# Altium PCB AMP.PcbDoc (part 3 of 5)
Units mil, origin at the board's own origin, x right, y up, seen from the top; angles counter-clockwise.
Board outline 6850 x 4750 mil, 6 copper layers (Top Layer, InternalPlane1, MidLayer1, InternalPlane2, InternalPlane3, Bottom Layer); 484 components, 340 nets, 1840 pads, 888 vias.
Unrouted connection lines stored in the file: 22.
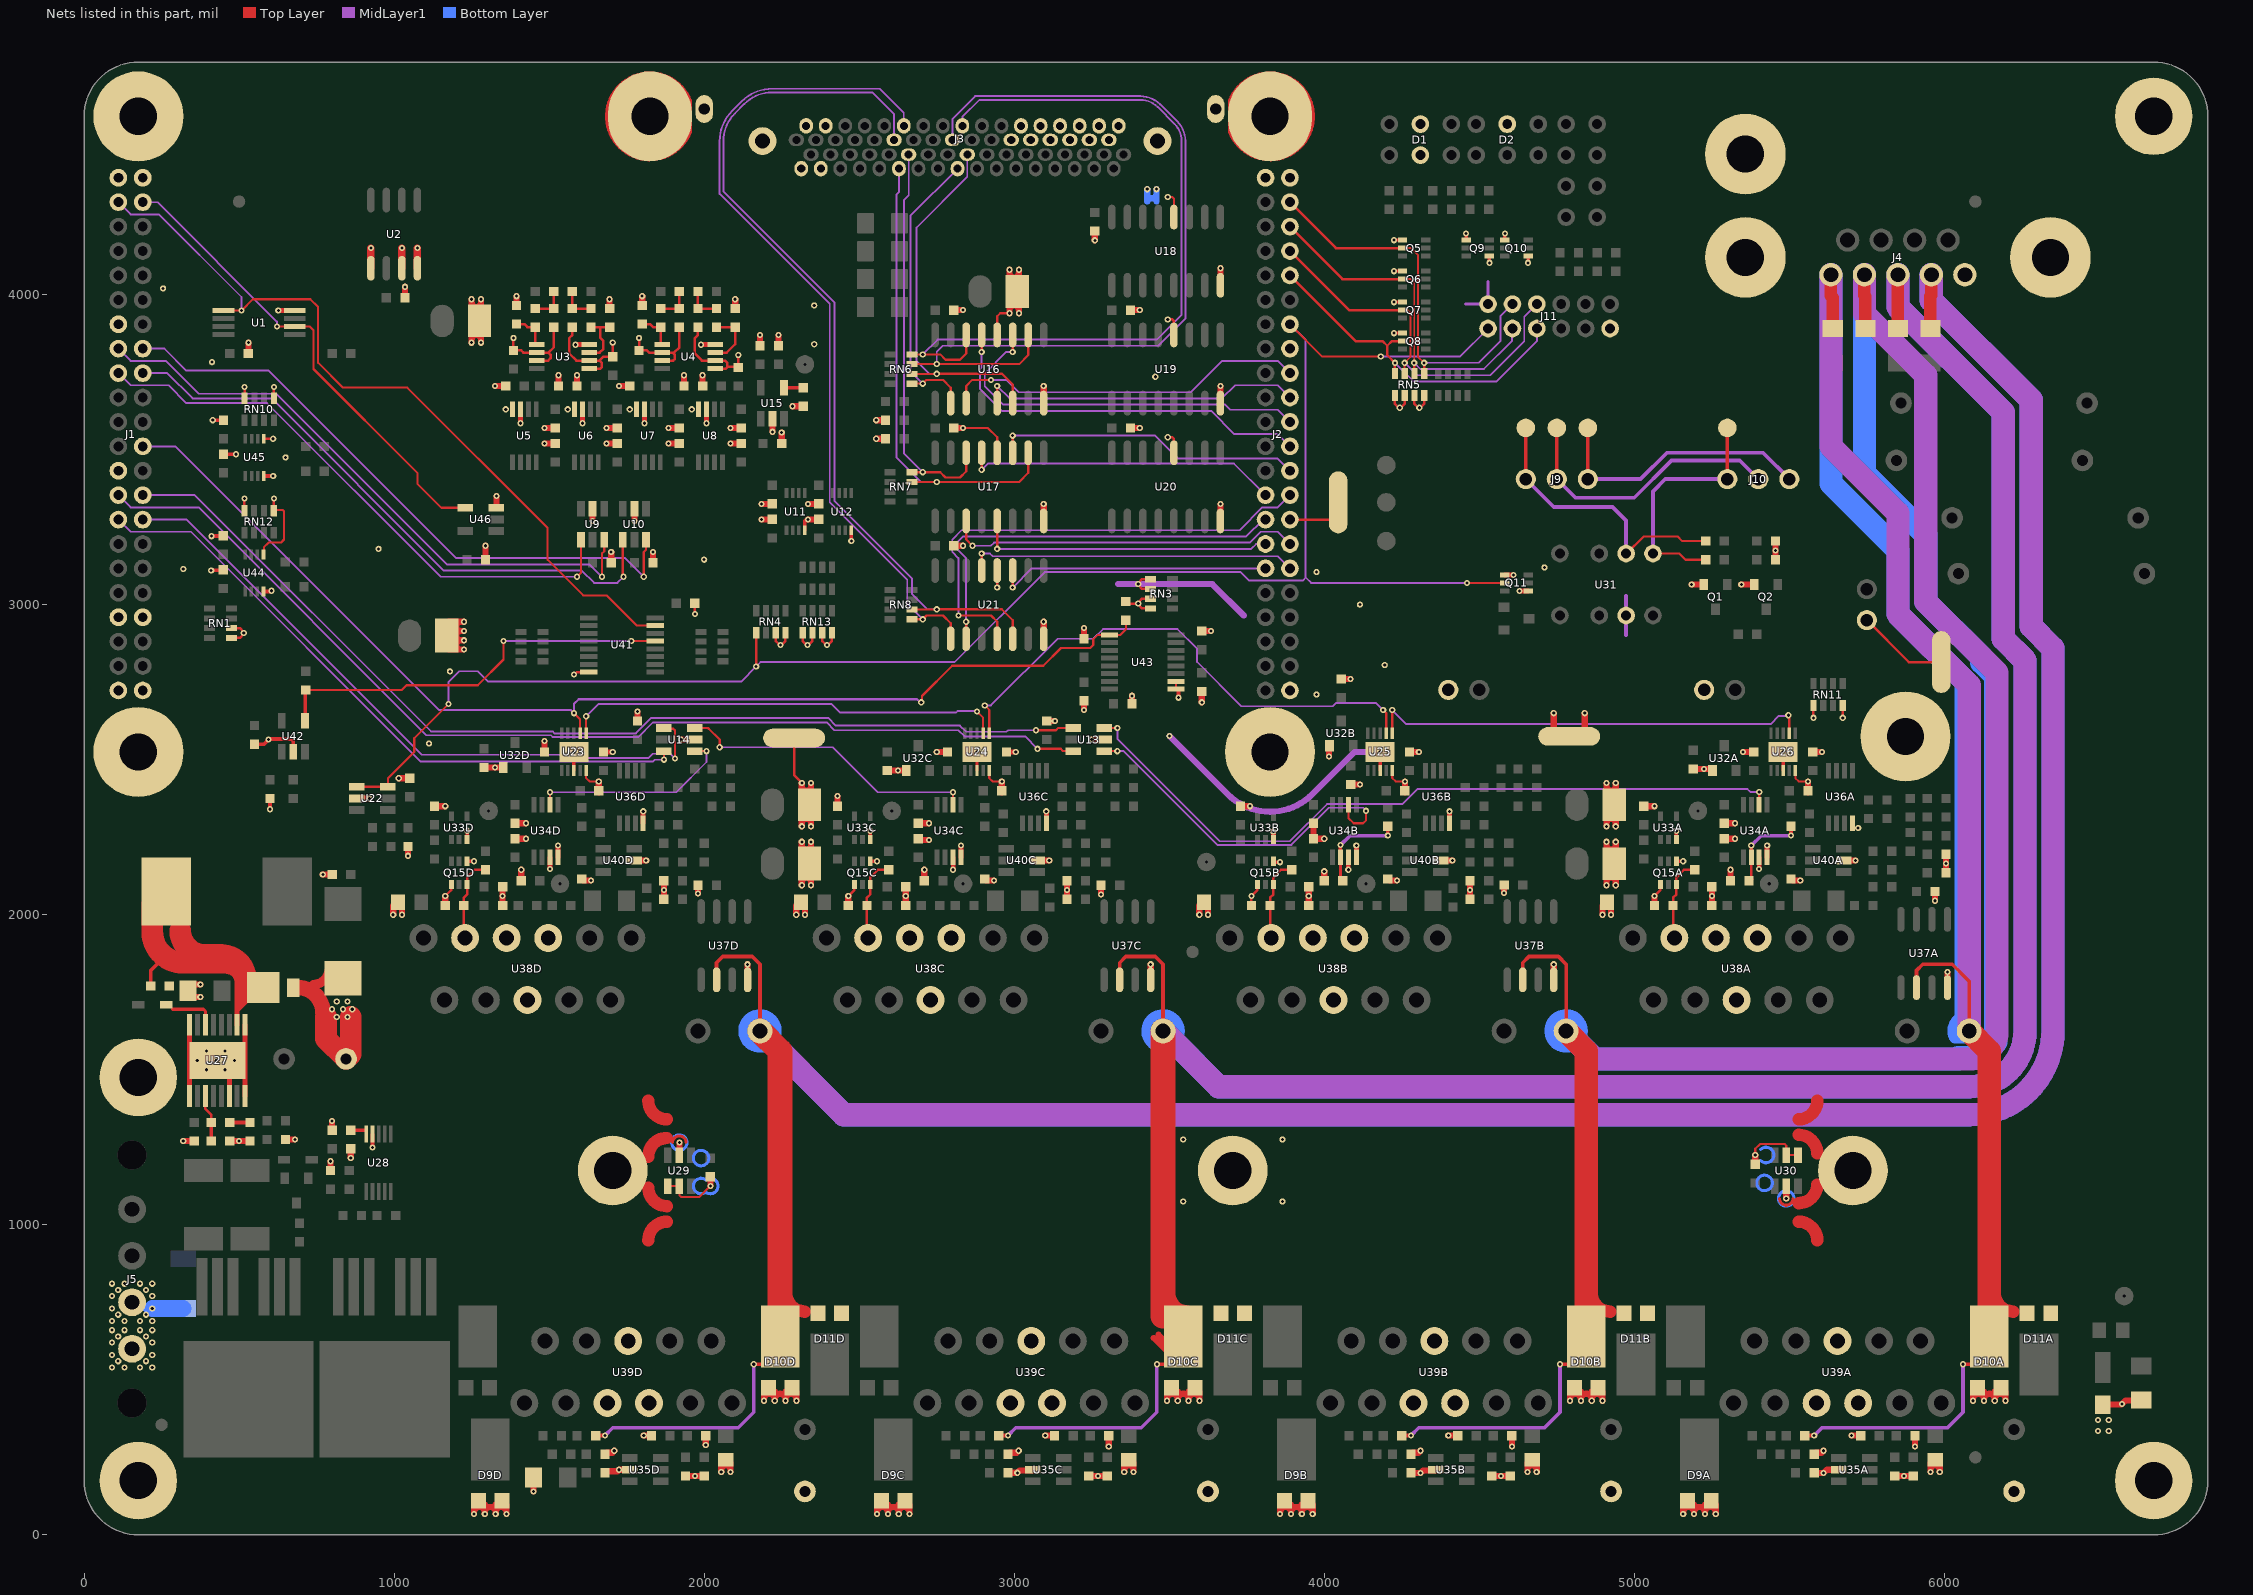
[diagram p7: the nets of this part, all layers, seen from the top]

## Via types
v1: diameter 20, hole 10, Top Layer to Bottom Layer, tented both sides, 888 vias

## Nets (pads, with @x,y where several pads share a name; then routed paths per layer and width w, separated by ;. In a path a pad name is that pad's centre, name@x,y a point inside that pad or via, vN(x,y) a via of type N, cw(c..) or ccw(c..) an arc to the next point about the centre after c; other vN are vias at no path point) (continued)
GND: C1.2 C2.2 C3.2 C4.2 C5.2 C6.2 C7.2 C8.2 C9.2 C10.2 C11.2 C12.2 C14.2 C15.2 C16.2 C17.2 C18.2 C19.2 C20.2 C21.2 C22.2 C23.2 C24.2 C25.2 C26.2 C31.2 C32.2 C33.2 C34.2 C35.2 C36.2 C37.2 C38.2 C39.2 C40.2 C41.2 C42.2 C43.2 C44.2 C45.2 C46.2 C47.2 C48.2 C49.2 C50.2 C51.2 C52.2 C53.2 C54.2 C55.2 C56.2 C57.2 C58.2 C59.2 C60.2 C61.2 C62.2 C63.2 C64.2 C65A.2 C65B.2 C65C.2 C65D.2 C66A.2 C66B.2 C66C.2 C66D.2 C67A.2 C67B.2 C67C.2 C67D.2 C68A.2 C68B.2 C68C.2 C68D.2 C69A.2 C69B.2 C69C.2 C69D.2 C70A.2 C70B.2 C70C.2 C70D.2 C71A.2 C71B.2 C71C.2 C71D.2 C73A.2 C73B.2 C73C.2 C73D.2 C76A.2 C76B.2 C76C.2 C76D.2 C77A.2 C77B.2 C77C.2 C77D.2 C78A.2 C78B.2 C78C.2 C78D.2 C79A.2 C79B.2 C79C.2 C79D.2 C80A.2 C80B.2 C80C.2 C80D.2 C81A.2 C81B.2 C81C.2 C81D.2 C82A.2 C82B.2 C82C.2 C82D.2 C83A.1 C83B.1 C83C.1 C83D.1 C84A.1 C84B.1 C84C.1 C84D.1 C85A.2 C85B.2 C85C.2 C85D.2 C87.2 C88.2 C91A.2 C91B.2 C91C.2 C91D.2 C92.2 C93.2 C94.2 C95.2 C96.2 C97.2 C98.2 C99.2 C100.2 C101.2 C102.2 C103.2 C104.2 C105.2 D1.2 D1.5 D2.2 D7.2 D9A.1 D9A.2 D9B.1 D9B.2 D9C.1 D9C.2 D9D.1 D9D.2 D10A.1 D10A.2 D10B.1 D10B.2 D10C.1 D10C.2 D10D.1 D10D.2 D12.2 D13.2 J1.1 J1.2 J1.14 J1.26 J1.37 J1.38 J1.43 J1.44 J2.1 J2.2 J2.15 J2.29 J2.43 J3.1 J3.3 J3.36 J3.38 J3.57 J3.58 J3.59 J3.60 J3.61 J3.62 J3.63 J3.64 J3.65 J3.66 J3.67 J3.68 J3.69 J3.70 J3.71 J3.72 J4.5 J4.10 J4.11 J5.1 J5.2 J6.2 J7.2 J8.2 J11.1 J11.12 M1.1 M2.1 M3.1 M4.1 M5.1 M6.1 M7.1 M8.1 M9.1 M10.1 M11.1 M12.1 M13.1 pad.0@365,1530 pad.0@395,1500 pad.0@395,1560 pad.0@455,1500 pad.0@455,1560 pad.0@485,1530 pad.0@2290,2570 pad.0@3545,1275 pad.0@3865,1075 pad.0@4045,3330 pad.0@4790,2575 pad.0@5358,4453 pad.0@5990,2815 pad.1 Q1.2 Q2.2 Q5.1 Q6.1 Q7.1 Q8.1 Q9.1 Q9.4 Q10.1 Q10.4 Q11.1 Q11.4 Q15A.1 Q15A.4 Q15B.1 Q15B.4 Q15C.1 Q15C.4 Q15D.1 Q15D.4 R24.2 R25.2 R26.2 R32.2 R33.2 R48A.2 R48B.2 R48C.2 R48D.2 R50A.1 R50B.1 R50C.1 R50D.1 R52.2 R53.2 R60A.2 R60B.2 R60C.2 R60D.2 R61A.2 R61B.2 R61C.2 R61D.2 R68.1 R75.2 RN1.1 RN1.2 RN3.1 RN3.2 RN3.3 RN3.4 RN4.3 RN4.4 RN5.1 RN5.2 RN5.3 RN5.4 RN10.5 RN10.8 RN11.5 RN11.8 RN12.5 RN12.8 RN13.1 RN13.2 RN13.3 RN13.4 U1.4 U2.1 U2.3 U2.4 U3.4 U4.4 U5.3 U5.4 U6.3 U6.4 U7.3 U7.4 U8.3 U8.4 U9.2 U10.2 U11.4 U12.4 U13.2 U14.2 U15.2 U16.8 U16.12 U17.8 U17.12 U18.8 U18.12 U19.8 U19.12 U20.8 U20.12 U21.8 U21.12 U22.2 U23.8 U23.10 U23.11 U24.8 U24.10 U24.11 U25.8 U25.10 U25.11 U26.8 U26.10 U26.11 U27.1 U27.8 U27.9 U27.14 U27.16 U27.17 U28.9 U29.2 U29.4 U29.5 U30.2 U30.4 U30.5 U31.3 U32A.1 U32B.1 U32C.1 U32D.1 U33A.3 U33B.3 U33C.3 U33D.3 U34A.3 U34A.4 U34B.3 U34B.4 U34C.3 U34C.4 U34D.3 U34D.4 U35A.2 U35B.2 U35C.2 U35D.2 U36A.4 U36B.4 U36C.4 U36D.4 U37A.4 U37B.4 U37C.4 U37D.4 U38A.5 U38A.6 U38A.7 U38B.5 U38B.6 U38B.7 U38C.5 U38C.6 U38C.7 U38D.5 U38D.6 U38D.7 U39A.5 U39A.6 U39A.7 U39B.5 U39B.6 U39B.7 U39C.5 U39C.6 U39C.7 U39D.5 U39D.6 U39D.7 U40A.2 U40B.2 U40C.2 U40D.2 U41.8 U42.2 U43.1 U43.2 U44.4 U44.5 U45.4 U45.5 U46.3 | length 23470.7
  Top Layer w7: U44.5@578.78,3162.38 580,3163.6 580,3185 595,3200 635,3200 645,3210 645,3300.9 640.9,3305 613.62,3305 RN12.5@611.5,3302.88 ; U45.5@579.53,3535 pad.1@610,3535 ; U23.10@1619.37,2465 1619.37,2440.63 1630,2430 v1(1660,2430) ; U29.4@1882.5,1125 U29.5@1920,1125 1920,1095 1925,1090 1985,1090 v1(2020,1125) ; v1(2835,3570) 2915,3570 2945,3540 U17.12@2945,3490 ; U24.10@2919.37,2465 2919.37,2440.63 2930,2430 v1(2960,2430) ; v1(2945,3055) U21.12@2945,3110 ; U16.12@2945,3870 2945,3930 2955,3940 v1(2985,3940) ; v1(3495,4315) 3510,4315 3515,4310 U18.12@3515,4250 ; U43.1@3522.25,2727.5 U43.2@3522.25,2752.5 ; U25.10@4219.37,2465 4219.37,2440.63 4230,2430 v1(4260,2430) ; v1(5390,1225) 5390,1245 5405,1260 5485,1260 5490,1255 U30.5@5490,1225 U30.4@5527.5,1225 ; U26.10@5519.37,2465 5519.37,2440.63 5530,2430 v1(5560,2430)
  Top Layer w8: RN1.1@475.5,2892.76 502.76,2892.76 v1@515,2905 ; RN1.2@475.5,2924.25 502.76,2924.25 v1@515,2912.01 ; RN12.8@517.75,3309.38 517.38,3309.75 517.38,3341.87 v1(517.75,3342.24) ; RN10.8@517.76,3665.5 v1(517.76,3702.24) ; RN12.5@612.24,3309.38 611.87,3309.75 611.87,3341.87 v1(612.24,3342.24) ; RN10.5@612.24,3665.5 v1(612.24,3702.24) ; v1(1165,2060) 1184.41,2079.41 Q15D.1@1184.41,2097.5 ; v1(1580,2775) 1582.73,2775 1590.23,2782.5 U41.8@1627.75,2782.5 ; v1(1970,2970) C92.2@1970,3005 ; RN4.3@2230.75,2909.5 2230.75,2882.24 v1@2242.99,2870 ; v1@2250,2870 2262.24,2882.24 RN4.4@2262.24,2909.5 ; pad.0@2290,2570 2290,2450 v1(2315,2425) ; RN13.1@2317.76,2909.5 2317.76,2882.24 v1@2330,2870 ; v1@2337.01,2870 2349.25,2882.24 RN13.2@2349.25,2909.5 ; RN13.3@2380.75,2909.5 2380.75,2882.24 2392.99,2870 v1(2396.5,2870) 2400,2870 2412.24,2882.24 RN13.4@2412.24,2909.5 ; v1(2465,2060) 2484.41,2079.41 Q15C.1@2484.41,2097.5 ; R75.2@3361.5,3003.5 v1(3400,3003.5) ; v1@3400,3062.99 3412.24,3050.75 RN3.2@3439.5,3050.75 ; v1@3400,3070 3412.24,3082.24 RN3.1@3439.5,3082.24 ; RN3.4@3439.5,2987.76 3412.24,2987.76 3400,3000 v1(3400,3003.5) ; RN3.3@3439.5,3019.25 3412.24,3019.25 3400,3007.01 v1(3400,3003.5) ; v1(3495,3540) 3510,3540 3515,3535 U20.12@3515,3490 ; v1(3495,3920) 3510,3920 3515,3915 U19.12@3515,3870 ; C65B.2@3765,2030 v1(3765,2060) 3784.41,2079.41 Q15B.1@3784.41,2097.5 ; J2.29@3889.37,3274.41 pad.0@4035.59,3274.41 ; RN5.1@4227.76,3674.5 4227.76,3647.24 v1@4240,3635 ; v1@4247.01,3635 4259.25,3647.24 RN5.2@4259.25,3674.5 ; RN5.3@4290.75,3674.5 4290.75,3647.24 4302.99,3635 v1(4306.5,3635) 4310,3635 4322.24,3647.24 RN5.4@4322.24,3674.5 ; v1(5065,2060) 5084.41,2079.41 Q15A.1@5084.41,2097.5 ; v1(5577.76,2635) RN11.5@5577.76,2674.5 ; v1(5672.24,2635) RN11.8@5672.24,2674.5 ; J7.2@5750,2950 5885,2815 pad.0@5990,2815
  Top Layer w10: 1898,1265 cw(c1920,1265) 1942,1265 ; C97.2@3597.5,2727.5 C97.2@3605,2720 ; v1(4224.41,3875.59) Q8.1@4252.5,3875.59 ; v1(4224.41,3975.59) Q7.1@4252.5,3975.59 ; v1(4224.41,4075.59) Q6.1@4252.5,4075.59 ; v1(4224.41,4175.59) Q5.1@4252.5,4175.59 ; 5468,1085 ccw(c5490,1085) 5512,1085
  Top Layer w11: U23.8@1580,2465 U23.11@1580,2510 ; U24.8@2880,2465 U24.11@2880,2520 ; U25.8@4180,2465 U25.11@4180,2505 ; U26.8@5480,2465 U26.11@5480,2515
  Top Layer w11.5: v1(930.31,1249.69) U28.9@930.31,1292.5 ; U11.4@2324.53,3240 2324.5,3270.5 2324.98,3270.98 ; v1@2331.97,3277.97 2324.98,3270.98 ; 2346.5,3271 2335,3270.99 2324.98,3270.98 ; v1(2474.53,3205.47) U12.4@2474.53,3240
  Top Layer w12: v1(410,3110) 411.19,3111.19 448.06,3111.19 C102.2@449.25,3112.38 ; v1(410.94,3220.93) 411.66,3221.66 448.53,3221.66 C101.2@449.25,3222.38 ; v1(415,3595) C103.2@450,3595 ; C104.2@450,3485 v1@480,3485 ; C93.2@550,2550 580,2550 v1(595,2565) 596.53,2566.53 668.47,2566.53 675,2560 U42.2@675,2525 ; U44.4@578.78,3042.38 602.38,3042.38 v1(605,3045) ; U45.4@579.53,3415 v1(610,3415) ; v1(600,2340) R68.1@600,2375 ; Q15D.4@1235.59,2172.5 v1(1257.5,2172.5) ; U33D.3@1235.59,2242.5 v1(1235.59,2270.59) ; Q15C.4@2535.59,2172.5 v1(2557.5,2172.5) ; U33C.3@2535.59,2242.5 v1(2535.59,2270.59) ; U43.1@3522.25,2727.5 3528,2727.5 3530,2725.5 v1(3530,2700) ; Q15B.4@3835.59,2169.5 v1(3857.5,2169.5) ; Q9.1@4457.5,4175.59 v1(4457.5,4197.5) ; v1(4532.5,4102.5) Q9.4@4532.5,4124.41 ; Q10.1@4582.5,4175.59 v1(4582.5,4197.5) ; v1(4657.5,4102.5) Q10.4@4657.5,4124.41 ; Q15A.4@5135.59,2172.5 v1(5157.5,2172.5) ; U33A.3@5135.59,2242.5 v1(5135.59,2270.59)
  Top Layer w15: v1(1502.5,2147.5) 1502.65,2147.65 1502.65,2184.85 U34D.3@1502.8,2185 ; C81D.2@1675,2525 v1(1705,2525) ; U34C.3@2802.8,2185 2803.3,2184.5 2803.3,2148.06 2805,2146.35 v1@2805,2145 ; C81C.2@2975,2525 v1(3005,2525) ; U36C.4@3102.94,2295.44 U36C.4@3103.39,2295 ; v1(4077.5,2145) 4077.65,2145.15 4077.65,2184.85 U34B.3@4077.8,2185 ; U36B.4@4402.89,2295.5 U36B.4@4403.39,2295 ; v1(5402.5,2147.5) 5402.65,2147.65 5402.65,2184.85 U34A.3@5402.8,2185
  Top Layer w16: U27.9@340.43,1415 U27.8@340.43,1645 ; U27.14@468.39,1415 U27.17@468.39,1478.39 ; U27.16@519.57,1415 U27.1@519.57,1645 ; v1(626.61,3948.39) U1.4@680,3948.39 ; v1(1407.2,3585) U5.3@1407.2,3630 ; U34D.4@1528.39,2185 v1(1528.39,2223.39) ; v1(1585,3838.39) U3.4@1630,3838.39 ; v1(1607.2,3585) U6.3@1607.2,3630 ; U36D.4@1803.39,2295 v1(1803.39,2333.39) ; v1(1807.2,3585) U7.3@1807.2,3630 ; v1(1990,3838.39) U4.4@2035,3838.39 ; v1(2007.2,3585) U8.3@2007.2,3630 ; U34C.4@2828.39,2185 v1(2828.39,2223.39) ; U36C.4@3103.39,2295 v1(3103.39,2333.39) ; v1@3398.5,3065 v1(3400,3066.5) ; U33B.3@3835.59,2242.5 v1(3835.59,2268) ; U34B.4@4103.39,2185 v1(4103.39,2223.39) ; U36B.4@4403.39,2295 v1(4403.39,2333.39) ; Q11.1@4582.5,3095.59 v1(4610,3095.59) ; v1(4630,3044.41) Q11.4@4657.5,3044.41 ; U34A.4@5428.39,2185 v1(5428.39,2223.39)
  Top Layer w20: v1(320,1270) C14.2@355,1270 ; C24.2@345,1735 v1(375,1735) ; C24.2@345,1775 v1(375,1775) ; C15.2@470,1270 v1(500,1270) C16.2@535,1270 ; C31.2@530,3810 v1(530,3845) ; R26.2@650,1275 v1(680,1275) ; v1(770,2130) C55.2@800,2130 ; R33.2@795,1180 v1(795,1205) ; R32.2@800,1310 v1(800,1335) ; v1(860,1215) C10.2@860,1240 ; U22.2@880,2375 v1(920,2375) ; v1(997,2000) C83D.1@997,2030 ; v1(1015,2440) C56.2@1045,2440 ; v1(1025,2000) C83D.1@1025,2030 ; C32.2@1035,3990 v1(1035,4025) ; v1(1045,2190) R25.2@1045,2220 ; C76D.2@1135,2350 v1(1165,2350) ; C65D.2@1165,2030 v1(1165,2060) ; C21.2@1175,2855 v1@1215,2855 ; C21.2@1175,2885 v1@1215,2885 ; C21.2@1175,2915 v1@1215,2915 ; C21.2@1175,2945 v1@1215,2945 ; v1(1225,2855) v1@1215,2855 ; v1(1225,2885) v1@1215,2885 ; v1(1225,2915) v1@1215,2915 ; v1(1225,2945) v1@1215,2945 ; v1(1250,3845) 1250,3855 ; C17.2@1250,3895 1250,3855 ; C17.2@1250,3935 1250,3975 ; v1(1250,3985) 1250,3975 ; v1(1257.5,67.5) v1@1257.5,72.5 ; D9D.1@1257.5,97.5 v1@1257.5,72.5 ; v1(1280,3845) 1280,3855 ; C17.2@1280,3895 1280,3855 ; C17.2@1280,3935 1280,3975 ; v1(1280,3985) 1280,3975 ; C77D.2@1290,2475 U32D.1@1352,2475 ; v1(1292.5,67.5) v1@1292.5,72.5 ; D9D.1@1292.5,97.5 v1@1292.5,72.5 ; C105.2@1295,3145 v1(1295,3190) ; v1(1325,3705) C5.2@1360,3705 ; v1(1327.5,67.5) v1@1327.5,72.5 ; D9D.2@1327.5,97.5 v1@1327.5,72.5 ; U46.3@1330,3312.5 v1(1330,3350) ; C70D.2@1350,2030 v1(1350,2060) R61D.2@1350,2090 ; v1(1362.5,67.5) v1@1362.5,72.5 ; D9D.2@1362.5,97.5 v1@1362.5,72.5 ; C79D.2@1390,2245 v1(1425,2245) ; C78D.2@1390,2295 v1(1425,2295) ; C1.2@1395,3965 v1(1395,3995) ; C66D.2@1410,2110 v1(1410,2145) ; v1(1450,140) C94.2@1450,185 ; C73D.2@1485,2530 v1(1485,2560) ; v1(1485,3520) C35.2@1520,3520 ; v1(1485,3570) C34.2@1520,3570 ; C33.2@1530,3705 v1(1530,3740) ; C6.2@1590,3705 v1(1590,3740) ; C80D.2@1605,2115 1610,2110 v1(1635,2110) ; v1(1640,3270) U9.2@1640,3305 ; C57.2@1660,2395 v1(1660,2430) ; C67D.2@1680,200 1685,205 1720,205 v1(1725,210) U35D.2@1760,210 U35D.2@1765,210 ; R60D.2@1680,260 1685,265 1704,265 v1(1710,271) ; v1(1685,3520) C37.2@1720,3520 ; v1(1685,3570) C36.2@1720,3570 ; C2.2@1695,3955 v1(1695,3985) ; C44.2@1700,3135 v1(1700,3170) ; v1(1725,3705) C7.2@1760,3705 ; U40D.2@1770,2175 v1(1813,2175) ; v1(1775,3270) U10.2@1775,3305 ; C58.2@1785,2625 v1(1785,2655) ; C3.2@1800,3965 v1(1800,3995) ; v1(1805,320) C71D.2@1830,320 ; C45.2@1835,3135 v1(1835,3170) ; R50D.1@1870,2050 v1(1870,2080) C69D.2@1870,2110 ; v1(1885,3520) C40.2@1920,3520 ; v1(1885,3570) C39.2@1920,3570 ; U29.2@1920,1232.5 v1(1920,1265) ; v1(1925.5,2565) U14.2@1970,2565 ; C38.2@1935,3705 v1(1935,3740) ; C91D.2@1940,190 v1(1970,190) R48D.2@2000,190 ; v1(1980,2068) C82D.2@1980,2095 ; C8.2@1995,3705 v1(1995,3740) ; v1(2005,290) C68D.2@2005,320 ; v1(2020,1125) C64.2@2020,1155 ; v1(2055,202.5) v1@2055,210 ; C84D.1@2055,232.5 v1@2055,210 ; v1(2085,202.5) v1@2085,210 ; C84D.1@2085,232.5 v1@2085,210 ; v1(2085,3520) C42.2@2120,3520 ; v1(2085,3570) C41.2@2120,3570 ; C4.2@2100,3955 v1(2100,3985) ; U37D.4@2140,1790 v1(2140,1840) ; C43.2@2180,3835 v1(2180,3870) ; v1(2185,3275) C87.2@2220,3275 ; v1(2185,3325) C46.2@2220,3325 ; v1(2192.5,432.5) v1@2192.5,437.5 ; D10D.1@2192.5,462.5 v1@2192.5,437.5 ; v1(2220,3557.5) U15.2@2220,3595 ; v1(2227.5,432.5) v1@2227.5,437.5 ; D10D.1@2227.5,462.5 v1@2227.5,437.5 ; C11.2@2240,3835 v1(2240,3870) ; C12.2@2250,3525 v1(2250,3555) ; v1(2262.5,432.5) v1@2262.5,437.5 ; D10D.2@2262.5,462.5 v1@2262.5,437.5 ; v1(2285,3640) C9.2@2320,3640 ; v1(2297,2000) C83C.1@2297,2030 ; v1(2297.5,432.5) v1@2297.5,437.5 ; D10D.2@2297.5,462.5 v1@2297.5,437.5 ; v1(2315,2095) 2315,2105 ; C18.2@2315,2145 2315,2105 ; C18.2@2315,2185 2315,2225 ; v1(2315,2235) 2315,2225 ; v1(2315,2285) 2315,2295 ; C22.2@2315,2335 2315,2295 ; C22.2@2315,2375 2315,2415 ; v1(2315,2425) 2315,2415 ; v1(2325,2000) C83C.1@2325,2030 ; v1(2335,3275) C88.2@2370,3275 ; v1(2335,3325) C47.2@2370,3325 ; v1(2345,2095) 2345,2105 ; C18.2@2345,2145 2345,2105 ; C18.2@2345,2185 2345,2225 ; v1(2345,2235) 2345,2225 ; v1(2345,2285) 2345,2295 ; C22.2@2345,2335 2345,2295 ; C22.2@2345,2375 2345,2415 ; v1(2345,2425) 2345,2415 ; C76C.2@2430,2350 v1(2430,2383) ; C65C.2@2465,2030 v1(2465,2060) ; v1(2555,3535) C48.2@2585,3535 ; v1(2555,3595) R24.2@2585,3595 ; v1(2557.5,67.5) v1@2557.5,72.5 ; D9C.1@2557.5,97.5 v1@2557.5,72.5 ; C77C.2@2590,2465 v1(2625,2465) U32C.1@2652,2465 ; v1(2592.5,67.5) v1@2592.5,72.5 ; D9C.1@2592.5,97.5 v1@2592.5,72.5 ; v1(2627.5,67.5) v1@2627.5,72.5 ; D9C.2@2627.5,97.5 v1@2627.5,72.5 ; C70C.2@2650,2030 R61C.2@2650,2090 ; v1(2662.5,67.5) v1@2662.5,72.5 ; D9C.2@2662.5,97.5 v1@2662.5,72.5 ; C79C.2@2690,2245 2694.5,2240.5 v1(2725,2240.5) ; C78C.2@2690,2295 v1(2725,2295) ; C66C.2@2710,2110 v1(2710,2145) ; v1(2750,2525) C73C.2@2780,2525 ; C51.2@2805,3190 v1(2835,3190) ; C50.2@2805,3570 v1(2835,3570) ; C49.2@2805,3950 v1(2835,3950) ; C80C.2@2905,2115 2910,2110 v1(2935,2110) ; C59.2@2960,2395 v1(2960,2430) ; C67C.2@2980,200 v1(3010,200) 3017.5,207.5 U35C.2@3060,207.5 ; R60C.2@2980,260 2985,265 3008.28,265 v1(3014.28,271) ; v1(2985,3940) 2985,3950 ; C20.2@2985,3990 2985,3950 ; C20.2@2985,4030 2985,4070 ; v1(2985,4080) 2985,4070 ; v1(3015,3940) 3015,3950 ; C20.2@3015,3990 3015,3950 ; C20.2@3015,4030 3015,4070 ; v1(3015,4080) 3015,4070 ; U40C.2@3070,2175 v1(3113,2175) ; U21.8@3095,2890 v1(3095,2945) ; U17.8@3095,3270 v1(3095,3325) ; U16.8@3095,3650 v1(3095,3705) ; v1(3100,320) C71C.2@3130,320 ; C60.2@3105,2625 v1(3131,2625) ; R50C.1@3170,2050 v1(3170,2080) C69C.2@3170,2110 ; v1(3225,2660) C100.2@3225,2690 ; C99.2@3225,2890 v1(3225,2925) ; C91C.2@3240,190 v1(3270,190) R48C.2@3300,190 ; v1(3250,2565) U13.2@3285,2565 ; v1(3260,4175) C52.2@3260,4205 ; v1(3280,2065) C82C.2@3280,2095 ; v1(3305,285) C68C.2@3305,320 ; v1(3355,202.5) v1@3355,210 ; C84C.1@3355,232.5 v1@3355,210 ; C54.2@3375,3570 v1(3405,3570) ; C53.2@3375,3950 v1(3405,3950) ; C96.2@3380,2680 v1(3380,2706) ; v1(3385,202.5) v1@3385,210 ; C84C.1@3385,232.5 v1@3385,210 ; U37C.4@3440,1790 v1(3440,1840) ; v1(3492.5,432.5) v1@3492.5,437.5 ; D10C.1@3492.5,462.5 v1@3492.5,437.5 ; v1(3527.5,432.5) v1@3527.5,437.5 ; D10C.1@3527.5,462.5 v1@3527.5,437.5 ; v1(3562.5,432.5) v1@3562.5,437.5 ; D10C.2@3562.5,462.5 v1@3562.5,437.5 ; v1(3597,2000) C83B.1@3597,2030 ; v1(3597.5,432.5) v1@3597.5,437.5 ; D10C.2@3597.5,462.5 v1@3597.5,437.5 ; v1(3605,2685) C97.2@3605,2720 ; C98.2@3605,2915 v1(3635,2915) ; v1(3625,2000) C83B.1@3625,2030 ; U20.8@3665,3270 v1(3665,3325) ; U19.8@3665,3650 v1(3665,3705) ; U18.8@3665,4030 v1(3665,4085) ; C76B.2@3730,2350 v1(3760,2350) ; v1(3857.5,67.5) v1@3857.5,72.5 ; D9B.1@3857.5,97.5 v1@3857.5,72.5 ; v1(3892.5,67.5) v1@3892.5,72.5 ; D9B.1@3892.5,97.5 v1@3892.5,72.5 ; v1(3927.5,67.5) v1@3927.5,72.5 ; D9B.2@3927.5,97.5 v1@3927.5,72.5 ; C70B.2@3950,2030 R61B.2@3950,2090 ; v1(3962.5,67.5) v1@3962.5,72.5 ; D9B.2@3962.5,97.5 v1@3962.5,72.5 ; C78B.2@3965,2295 C79B.2@3965,2245 v1(4000,2245) ; C66B.2@4000,2110 v1(4000,2140) ; v1(4015,2510) U32B.1@4015,2542 ; U32B.1@4017,2545 U32B.1@4020,2542 ; C77B.2@4055,2760 v1(4085,2760) ; C73B.2@4085,2420 v1(4115,2420) ; C80B.2@4205,2115 4210,2110 v1(4235,2110) ; C61.2@4260,2395 v1(4260,2430) ; C81B.2@4275,2525 v1(4305,2525) ; C67B.2@4280,200 4281,199 v1(4310,199) 4318.5,207.5 4362.5,207.5 U35B.2@4365,210 ; R60B.2@4280,260 4285,265 4304,265 v1(4310,271) ; U40B.2@4370,2175 v1(4413,2175) ; v1(4400,320) C71B.2@4430,320 ; R50B.1@4470,2050 v1(4470,2080) C69B.2@4470,2110 ; C91B.2@4540,190 v1(4570,190) R48B.2@4600,190 ; v1(4580,2070) C82B.2@4580,2095 ; v1(4605,285) C68B.2@4605,320 ; v1(4655,202.5) v1@4655,210 ; C84B.1@4655,232.5 v1@4655,210 ; v1(4685,202.5) v1@4685,210 ; C84B.1@4685,232.5 v1@4685,210 ; U37B.4@4740,1790 v1(4740,1840) ; pad.0@4740,2575 pad.1@4740,2650 ; v1(4792.5,432.5) v1@4792.5,437.5 ; D10B.1@4792.5,462.5 v1@4792.5,437.5 ; v1(4827.5,432.5) v1@4827.5,437.5 ; D10B.1@4827.5,462.5 v1@4827.5,437.5 ; pad.0@4840,2575 pad.1@4840,2650 ; v1(4862.5,432.5) v1@4862.5,437.5 ; D10B.2@4862.5,462.5 v1@4862.5,437.5 ; v1(4897,2000) C83A.1@4897,2030 ; v1(4897.5,432.5) v1@4897.5,437.5 ; D10B.2@4897.5,462.5 v1@4897.5,437.5 ; v1(4910,2095) 4910,2105 ; C19.2@4910,2145 4910,2105 ; C19.2@4910,2185 4910,2225 ; v1(4910,2235) 4910,2225 ; v1(4910,2285) 4910,2295 ; C23.2@4910,2335 4910,2295 ; C23.2@4910,2375 4910,2415 ; v1(4910,2425) 4910,2415 ; v1(4925,2000) C83A.1@4925,2030 ; v1(4940,2095) 4940,2105 ; C19.2@4940,2145 4940,2105 ; C19.2@4940,2185 4940,2225 ; v1(4940,2235) 4940,2225 ; v1(4940,2285) 4940,2295 ; C23.2@4940,2335 4940,2295 ; C23.2@4940,2375 4940,2415 ; v1(4940,2425) 4940,2415 ; C76A.2@5030,2350 v1(5065,2350) ; C65A.2@5065,2030 v1(5065,2060) ; v1(5157.5,67.5) v1@5157.5,72.5 ; D9A.1@5157.5,97.5 v1@5157.5,72.5 ; v1(5185,3065) Q1.2@5224,3065 ; C77A.2@5190,2470 v1(5225,2470) U32A.1@5252,2470 ; v1(5192.5,67.5) v1@5192.5,72.5 ; D9A.1@5192.5,97.5 v1@5192.5,72.5 ; v1(5227.5,67.5) v1@5227.5,72.5 ; D9A.2@5227.5,97.5 v1@5227.5,72.5 ; C70A.2@5250,2030 R61A.2@5250,2090 ; v1(5262.5,67.5) v1@5262.5,72.5 ; D9A.2@5262.5,97.5 v1@5262.5,72.5 ; C79A.2@5290,2245 v1(5325,2245) ; C78A.2@5290,2295 v1(5325,2295) ; C66A.2@5310,2110 v1(5310,2145) ; v1(5345,3065) Q2.2@5387,3065 ; v1(5350,2525) C73A.2@5380,2525 ; C63.2@5390,1195 v1(5390,1225) ; R52.2@5455,3145 R53.2@5455,3205 ; v1(5490,1085) U30.2@5490,1117.5 ; C80A.2@5505,2115 5510,2110 v1(5535,2110) ; C62.2@5560,2395 v1(5560,2430) ; C81A.2@5575,2525 v1(5605,2525) ; C67A.2@5580,200 5581,199 v1(5610,199) 5621,210 U35A.2@5660,210 U35A.2@5665,210 ; R60A.2@5580,260 5585,265 5604,265 v1(5610,271) ; U40A.2@5670,2175 v1(5713,2175) ; v1(5700,320) C71A.2@5730,320 ; C91A.2@5840,190 v1(5870,190) R48A.2@5900,190 ; v1(5905,285) C68A.2@5905,320 ; v1(5955,202.5) v1@5955,210 ; C84A.1@5955,232.5 v1@5955,210 ; v1(5970,2045) C82A.2@5970,2075 ; v1(5985,202.5) v1@5985,210 ; C84A.1@5985,232.5 v1@5985,210 ; C69A.2@6005,2135 v1(6005,2165) R50A.1@6005,2195 ; U37A.4@6010,1765 v1(6010,1815) ; v1(6092.5,432.5) v1@6092.5,437.5 ; D10A.1@6092.5,462.5 v1@6092.5,437.5 ; v1(6127.5,432.5) v1@6127.5,437.5 ; D10A.1@6127.5,462.5 v1@6127.5,437.5 ; v1(6162.5,432.5) v1@6162.5,437.5 ; D10A.2@6162.5,462.5 v1@6162.5,437.5 ; v1(6197.5,432.5) v1@6197.5,437.5 ; D10A.2@6197.5,462.5 v1@6197.5,437.5 ; D13.2@6510,420 6570.78,420 v1(6572.5,421.72) 6584.22,433.43 6633.43,433.43 C95.2@6635,435 ; v1@1215,2855 cw(c1215,2870) v1@1215,2885 ; v1@1215,2885 cw(c1215,2900) v1@1215,2915 ; v1@1215,2915 cw(c1215,2930) v1@1215,2945 ; 1250,3855 cw(c1265,3855) 1280,3855 ; 1250,3975 ccw(c1265,3975) 1280,3975 ; v1@1257.5,72.5 cw(c1275,72.5) v1@1292.5,72.5 ; v1@1292.5,72.5 cw(c1310,72.5) v1@1327.5,72.5 ; v1@1327.5,72.5 cw(c1345,72.5) v1@1362.5,72.5 ; v1@2055,210 cw(c2070,210) v1@2085,210 ; v1@2192.5,437.5 cw(c2210,437.5) v1@2227.5,437.5 ; v1@2227.5,437.5 cw(c2245,437.5) v1@2262.5,437.5 ; v1@2262.5,437.5 cw(c2280,437.5) v1@2297.5,437.5 ; 2315,2105 cw(c2330,2105) 2345,2105 ; 2315,2225 ccw(c2330,2225) 2345,2225 ; 2315,2295 cw(c2330,2295) 2345,2295 ; 2315,2415 ccw(c2330,2415) 2345,2415 ; v1@2557.5,72.5 cw(c2575,72.5) v1@2592.5,72.5 ; v1@2592.5,72.5 cw(c2610,72.5) v1@2627.5,72.5 ; v1@2627.5,72.5 cw(c2645,72.5) v1@2662.5,72.5 ; 2985,3950 cw(c3000,3950) 3015,3950 ; 2985,4070 ccw(c3000,4070) 3015,4070 ; v1@3355,210 cw(c3370,210) v1@3385,210 ; v1@3492.5,437.5 cw(c3510,437.5) v1@3527.5,437.5 ; v1@3527.5,437.5 cw(c3545,437.5) v1@3562.5,437.5 ; v1@3562.5,437.5 cw(c3580,437.5) v1@3597.5,437.5 ; v1@3857.5,72.5 cw(c3875,72.5) v1@3892.5,72.5 ; v1@3892.5,72.5 cw(c3910,72.5) v1@3927.5,72.5 ; v1@3927.5,72.5 cw(c3945,72.5) v1@3962.5,72.5 ; v1@4655,210 cw(c4670,210) v1@4685,210 ; v1@4792.5,437.5 cw(c4810,437.5) v1@4827.5,437.5 ; v1@4827.5,437.5 cw(c4845,437.5) v1@4862.5,437.5 ; v1@4862.5,437.5 cw(c4880,437.5) v1@4897.5,437.5 ; 4910,2105 cw(c4925,2105) 4940,2105 ; 4910,2225 ccw(c4925,2225) 4940,2225 ; 4910,2295 cw(c4925,2295) 4940,2295 ; 4910,2415 ccw(c4925,2415) 4940,2415 ; v1@5157.5,72.5 cw(c5175,72.5) v1@5192.5,72.5 ; v1@5192.5,72.5 cw(c5210,72.5) v1@5227.5,72.5 ; v1@5227.5,72.5 cw(c5245,72.5) v1@5262.5,72.5 ; v1@5955,210 cw(c5970,210) v1@5985,210 ; v1@6092.5,437.5 cw(c6110,437.5) v1@6127.5,437.5 ; v1@6127.5,437.5 cw(c6145,437.5) v1@6162.5,437.5 ; v1@6162.5,437.5 cw(c6180,437.5) v1@6197.5,437.5 ; M5.1@1950.39,4524.99 cw(c1825,4575) 1950.39,4625.01 M5.1@1950.39,4524.99 ; M3.1@3699.61,4524.99 ccw(c3825,4575) 3699.61,4625.01 M3.1@3699.61,4524.99